# Altium PCB MC3.PcbDoc (part 3 of 4) (continued)
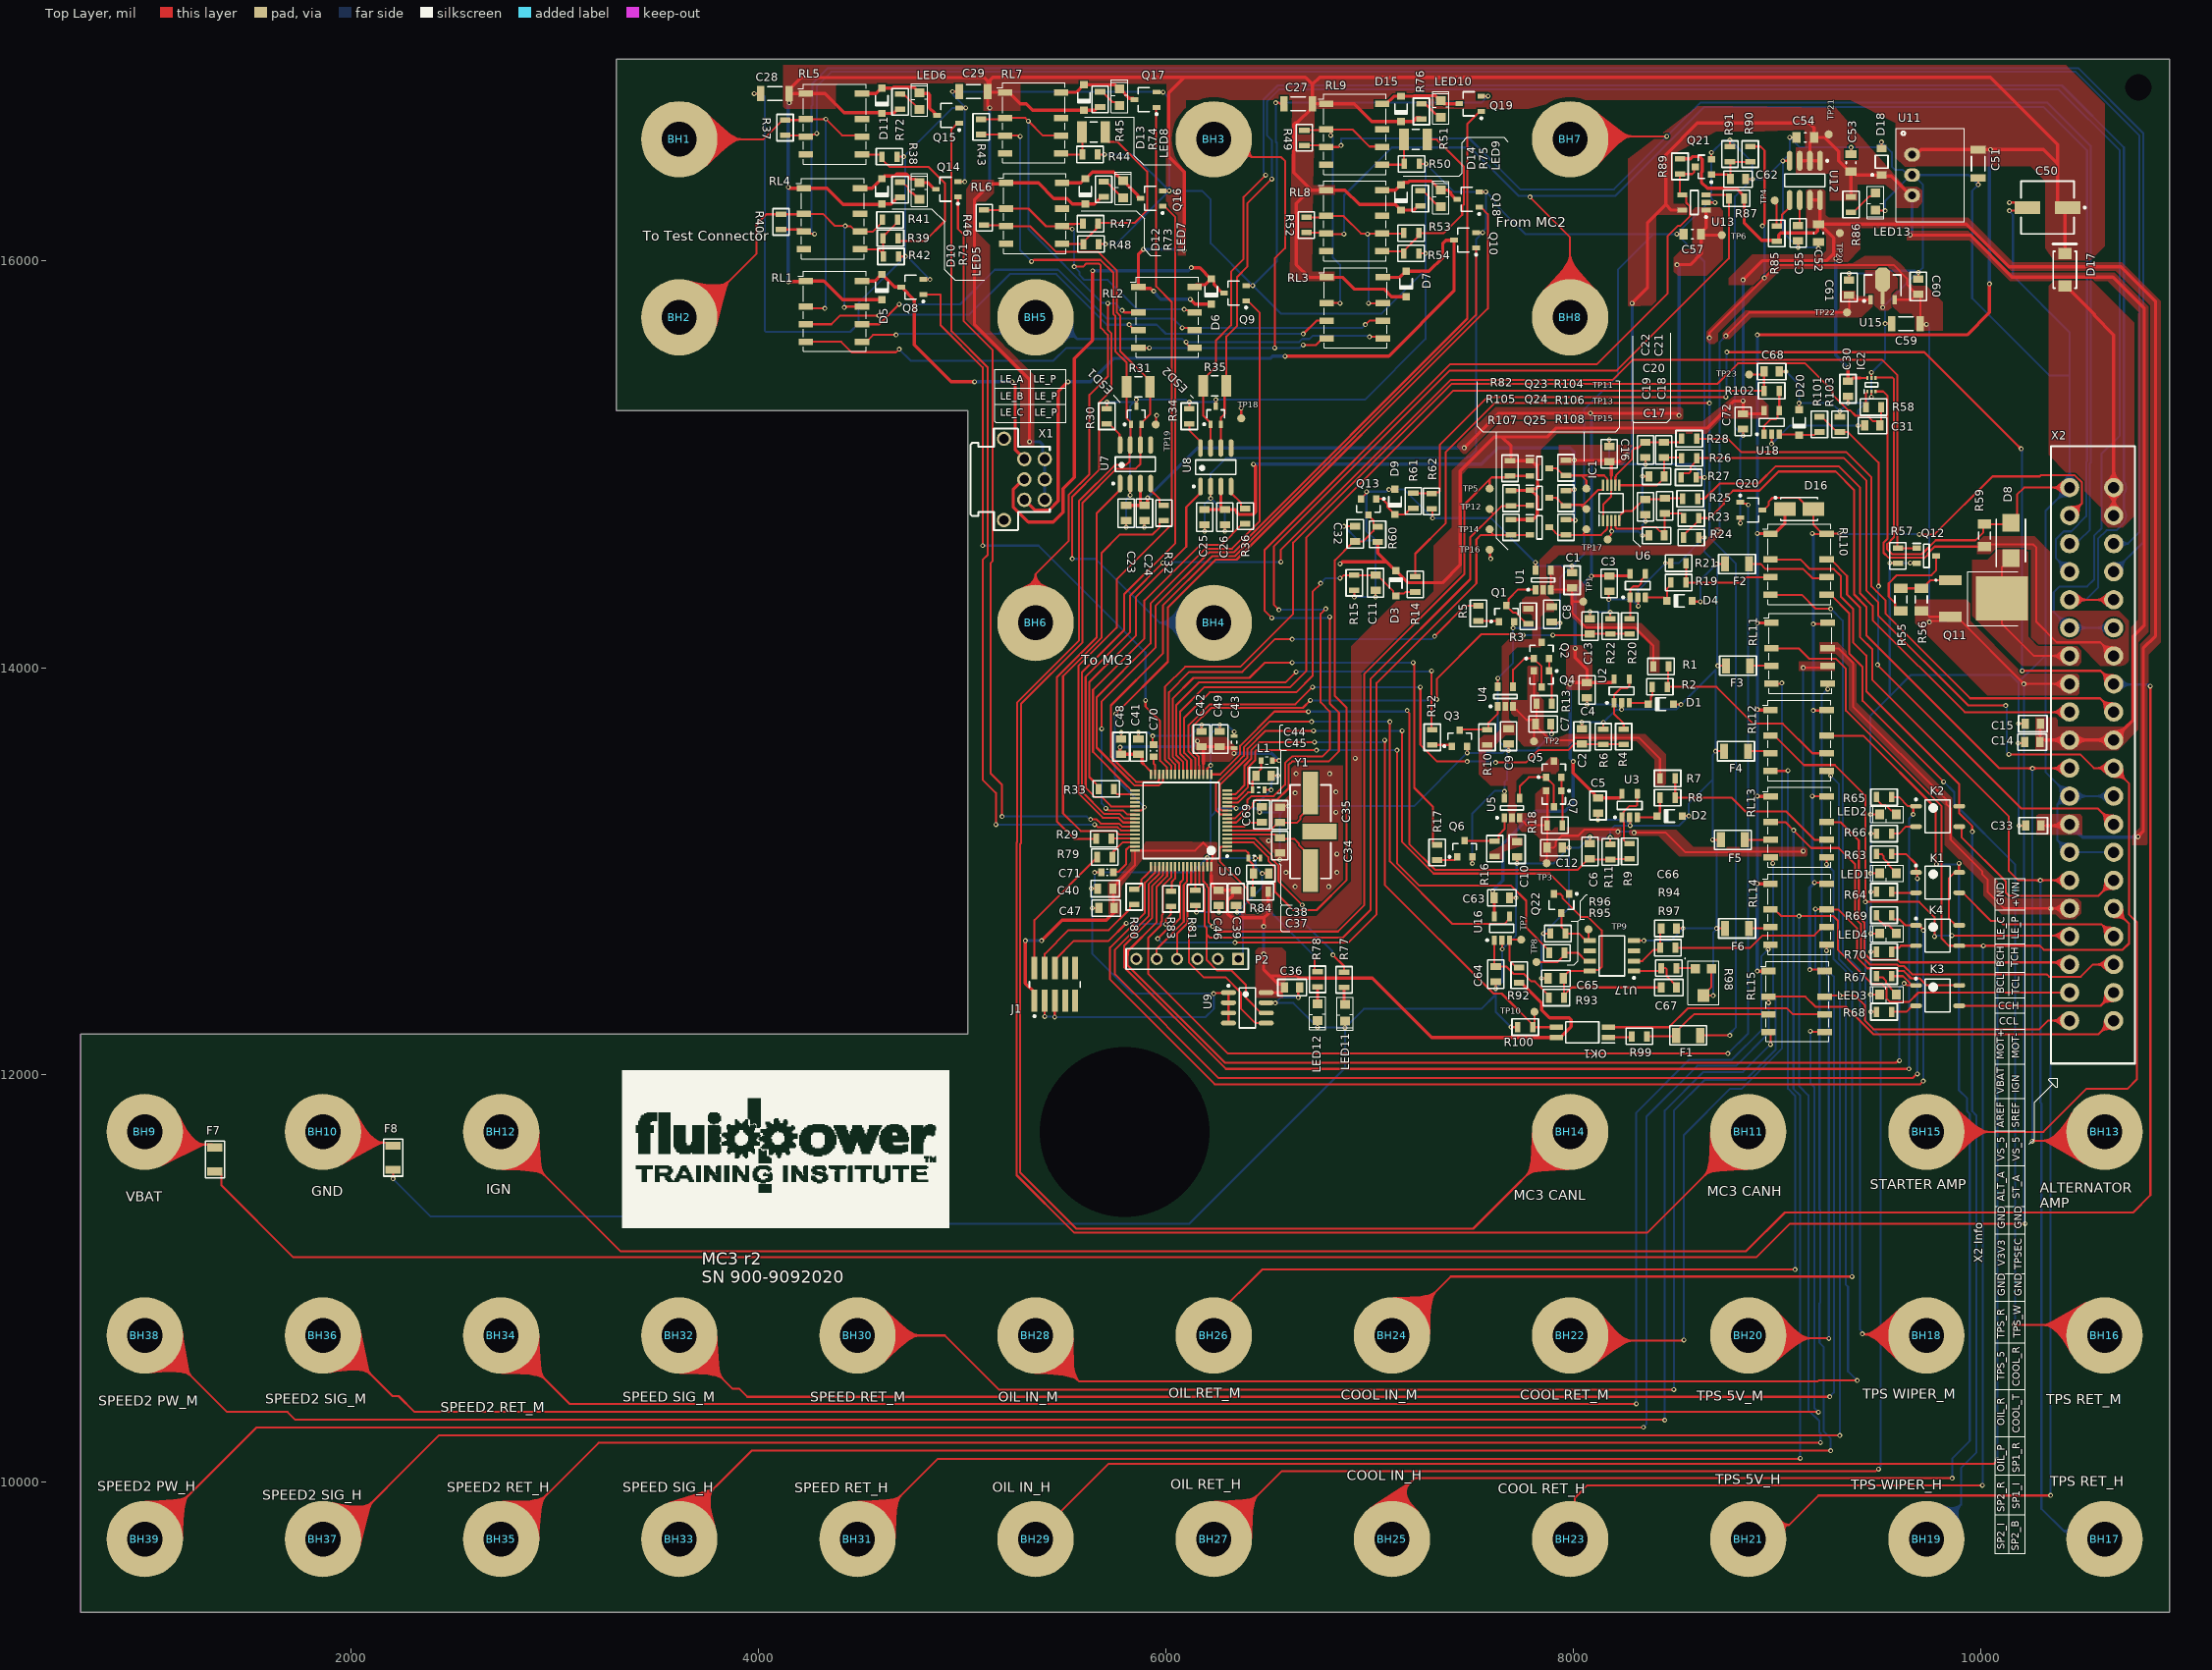
[diagram p0: Top Layer view]
## Nets (pads, with @x,y where several pads share a name; then routed paths per layer and width w, separated by ;. In a path a pad name is that pad's centre, name@x,y a point inside that pad or via, vN(x,y) a via of type N, cw(c..) or ccw(c..) an arc to the next point about the centre after c; other vN are vias at no path point) (continued)
  other v1: 6635,12925 6800,12925 6590,12995 6840,12995 6840,13085 6505,13150 6835,13290 6635,13385 6835,13390 6640,13480 6805,13480
IGNITION_1: BH12.1 R61.1 R62.2 X2.15 | length 16439.4
  Top Layer w10: BH12.1@2735.25,11720.85 3321.1,11135 8850,11135 9040,11325 10750,11325 10835,11410 v1(10835,13910) ; R61.1@7215,14857.4 7216.2,14856.2 7291.99,14856.2 7293.19,14855 7299.63,14861.44 7339.14,14861.44 7345,14867.3 7345,15095 7580,15330 v1(8750,15330) ; v1(8755,15550) 9725,15550 v1(10200,15075) ; v1(10205,13985) 10590.59,13985 X2.15@10655,13920.59
  Bottom Layer w10: v1(8750,15330) 8752.5,15332.5 8752.5,15547.5 v1(8755,15550) ; v1(10200,15075) 10205,15070 v1(10205,13985) ; X2.15@10655,13920.59 10657.91,13917.68 10827.32,13917.68 v1(10835,13910)
LED_CONNECTOR_1: D16.2 Q20.3 RL10.8 RL11.8 RL12.8 RL13.8 RL14.8 RL15.8 X2.4 | length 4608.2
  Top Layer w10: Q20.3@8929.13,14775 8936.02,14775 8961.42,14800.39 8961.42,14816.42 8980,14835 9106.18,14835 9161.18,14780 D16.2@9179.88,14780 9179.88,14703.03 RL10.8@9225.32,14657.6 ; v1(9162.75,12517.25) 9229.32,12517.25 RL15.8@9235.59,12510.98 ; v1(9175,13370) 9243.19,13370 RL13.8@9245.59,13367.6 ; v1(9175,14660) 9177.4,14657.6 RL10.8@9225.32,14657.6 ; v1(9180,13790) 9242.4,13790 RL12.8@9245,13792.6 ; v1(9180,14215) 9244.02,14215 RL11.8@9250,14220.98 ; v1(9185,12945) 9239.28,12945 RL14.8@9245,12939.28 ; v1(9310,14660) 9247.4,14660 RL10.8@9245,14657.6 RL10.8@9225.32,14657.6 ; v1(9700,14655) 9775,14655 10060,14940 10291.51,14940 10296.91,14945.4 10463.42,14945.4 10498.71,14910.11 10498.71,14807.61 X2.4@10438.46,14747.36
  Bottom Layer w10: v1(9310,14660) 9312.5,14657.5 9697.5,14657.5 v1(9700,14655)
  Bottom Layer w16: v1(9162.75,12517.25) 9162,12518 9162,12919.84 9185,12942.84 v1(9185,12945) 9175,12955 v1(9175,13370) 9180,13375 v1(9180,13790) v1(9180,14215) 9180,14652.84 9175,14657.84 v1(9175,14660)
LEDA_1: D5.1 Q8.3 RL1.8 X1.2 | length 1503.5
  Top Layer w16: RL1.8@4507.8,15900 4572.01,15900 4604.02,15932.01 D5.1@4605,15932.01 4605.98,15932.01 4642.93,15895.06 4642.93,15894.23 4667.17,15870 Q8.3@4700.87,15870 4765,15805.87 4765,15585 4945,15405 v1(5060,15405) ; v1(5245,15405) 5260,15390 5260,15070 X1.2@5305,15025
  Bottom Layer w16: v1(5060,15405) v1(5245,15405)
LEDB_1: D6.1 Q9.3 RL2.8 X1.4 | length 2513.6
  Top Layer w16: X1.4@5305,14925 5300,14925 5250,14875 5250,14790 5325,14715 5447,14715 5495,14763 5495,14880 5550.58,14935.58 5550.58,15519.42 5640,15608.84 v1(5640,15950) ; v1(6125,15965) 6166.81,15965 D6.1@6221.81,15910 ; RL2.8@6140.59,15870.98 6151.34,15881.73 6193.54,15881.73 D6.1@6221.81,15910 ; Q9.3@6285.87,15840 6278.98,15840 6236.5,15882.48 6236.5,15897.28 6223.78,15910 D6.1@6222.8,15910 D6.1@6221.81,15910
  Bottom Layer w16: v1(5640,15950) 6110,15950 v1(6125,15965)
LEDC_1: D7.1 Q10.3 RL3.8 X1.6 | length 3627.8
  Top Layer w16: X1.6@5305,14825 5356.43,14773.57 5426.3,14773.57 5471,14818.26 5471,15356 v1(5520,15405) ; v1(6585,15530) 7095,15530 7415,15850 Q10.3@7415,16100 7375,16100 7360,16085 7360,16015 7292.01,15947.01 D7.1@7180,15947.01 7179.02,15947.01 7149.61,15917.6 RL3.8@7045.91,15917.6
  Bottom Layer w16: v1(5520,15405) 5630,15405 5745,15520 6515,15520 6525,15530 v1(6585,15530)
LEDGRN_17: R77.2 U10.4 | length 973.3
  Top Layer w10: U10.4@6301.38,13161.42 6355,13161.42 6436.87,13161.42 6521.41,13076.88 6521.41,13060.34 6553.52,13028.23 6553.52,12951.48 v1(6670,12835) ; v1(6820,12590) 6875,12535 R77.2@6875,12505.08
  Bottom Layer w10: v1(6670,12835) 6670,12755 6817.32,12607.68 6817.32,12592.68 v1(6820,12590)
LEDYEL_17: R78.2 U10.2 | length 891.1
  Top Layer w10: U10.2@6301.38,13122.05 6300.6,13121.27 6272.37,13121.27 6264.76,13113.65 6264.76,13049.34 6334.09,12980 6400,12914.09 6400,12855 v1(6450,12805) ; v1(6730,12585) 6730,12521.18 6725,12516.18 6733.78,12507.4 R78.2@6745,12507.4
  Bottom Layer w10: v1(6450,12805) 6510,12805 v1(6730,12585)
MC2_MC3_CANH_1: BH7.1 R49.1 RL9.3 X2.6 | length 6903.6
  Top Layer w10: R49.1@6680,16565.2 6779.41,16565.2 RL9.3@6787.2,16557.4 6848.61,16557.4 6856.21,16565 v1(6860,16565) ; BH7.1@7985.25,16595.85 8046.4,16657 8093.4,16610 v1(8460,16610)
  Bottom Layer w10: v1(6860,16565) 6860,16600 7490,16600 7740,16350 8200,16350 v1(8460,16610) 8625,16775 10330,16775 10542,16563 10542,15007.46 10538,15003.46 10538,14678 10485.73,14625.73 10454.63,14625.73 X2.6@10438.46,14609.57 ; BH7.1@7985.25,16497.08 BH7.1@7985.25,16595.85
MC2_MC3_CANL_1: BH8.1 R52.1 RL8.3 X2.8 | length 7363.5
  Top Layer w10: R52.1@6690,16137.6 6697.4,16137.6 6705,16130 6705,16132.01 6710.59,16137.6 6782.01,16137.6 6789.61,16130 v1(6875,16130) ; v1(7788.12,16311.88) 7985.25,16114.75 BH8.1@7985.25,15720.85
  Bottom Layer w10: v1(6875,16130) 6875,16320 7110,16555 7495,16555 7732.5,16317.5 v1@7782.5,16317.5 ; v1(7788.12,16311.88) v1@7782.5,16317.5 ; X2.8@10438.46,14471.77 10370,14540.24 10370,14630 10409.81,14669.81 10446.11,14669.81 10520,14743.7 10520,15010.91 10524,15014.91 10524,16541 10310,16755 8645,16755 8207.5,16317.5 v1@7782.5,16317.5
MOTOR+_1: D8.1 Q11.3 X2.14 | length 739.3
  Top Layer w10: D8.1@10150,14538.39 10150,14537.4 10105,14492.4 10105,14216.73 10263.35,14058.39 X2.14@10438.46,14058.39
MOTOR-_1: IC2.3 R59.2 X2.13 | length 2459.7
  Top Layer w10: IC2.3@9484.68,15357.01 9522.99,15357.01 9545,15335 9545,14635 9525,14615 9525,14565 9550,14540 9725,14540 9725.86,14539.14 9741.52,14554.8 9741.52,14561.12 9775.39,14595 10019.88,14595 R59.2@10020,14594.88 10030.12,14605 10260,14605 10275,14590 10275,14225 10375,14125 10588.39,14125 X2.13@10655,14058.39
NetBH9_1: BH9.1 F7.1 | length 376.6
  Top Layer w10: BH9.1@985.25,11720.85 1047.36,11658.74 1315.31,11658.74 F7.1@1330,11644.06
NetBH10_1: BH10.1 F8.1 | length 372.8
  Top Layer w10: BH10.1@1860.25,11720.85 1913.3,11667.8 2190.31,11667.8 F8.1@2205,11653.11
NetBH11_1: BH11.1 ESD1.1 R31.2 R43.1 RL7.3 U7.7 | length 9915.8
  Top Layer w10: R43.1@5092.8,16618.58 5204.8,16618.58 RL7.3@5210,16613.39 5281.61,16613.39 v1(5285,16610) ; v1(5340,15995) 5343.79,15995 5351.79,16003 5678.67,16003 5742,15939.67 5742,15737.19 5751,15728.19 5751,15554.73 5807.91,15497.81 5807.91,15224.65 5827.2,15205.35 5829.41,15203.15 ESD1.1@5829.41,15195.28 ; U7.7@5825,15094.06 U7.7@5827.2,15096.26 ; ESD1.1@5827.2,15195.28 U7.7@5827.2,15096.26 ; BH11.1@8860.25,11720.85 8364.4,11225 5550,11225 5267,11508 5267,13141.64 5270,13144.64 5270,13830.08 5572.75,14132.83 5572.75,14818.21 5750.17,14995.63 5804.53,14995.63 5822.39,15013.49 5822.39,15091.45 U7.7@5827.2,15096.26
  Bottom Layer w10: v1(5285,16610) 5285,16050 v1(5340,15995)
NetBH14_1: BH14.1 ESD1.2 R31.1 R46.1 RL6.3 U7.6 | length 8573.3
  Top Layer w10: R46.1@5107.8,16173.58 5209.8,16173.58 RL6.3@5215,16168.39 5334.41,16168.39 5460.4,16042.39 5668.52,16042.39 5760,15950.91 5760,15744.64 5776,15728.64 5776,15555.18 5922.09,15409.09 5922.09,15244.65 5880.59,15203.15 5880.59,15187.4 5875,15181.81 U7.6@5875,15094.06 5875,15000 5852.63,14977.63 5757.63,14977.63 5590.75,14810.75 5590.75,14125.37 5288,13822.62 5288,13137.19 5285,13134.19 5285,11520 5560,11245 7509.4,11245 BH14.1@7985.25,11720.85
NetBH16_1: BH16.1 RL10.5 | length 4449.1
  Top Layer w10: RL10.5@9245,14358.39 9264.68,14358.39 9357,14266.07 9357,14068.46 9422,14003.46 9422,13838 v1(9820,13440) ; v1(10165,10775) 10167.68,10772.32 10558.78,10772.32 BH16.1@10610.25,10720.85
  Bottom Layer w10: v1(9820,13440) 9871.76,13388.24 9871.76,13333.24 10171.54,13033.46 10171.54,10781.54 v1(10165,10775)
NetBH18_1: BH18.1 RL10.4 | length 4267.2
  Top Layer w10: RL10.4@8969.41,14358.39 9123.23,14358.39 9191.61,14290 v1(9265,14290) ; v1(9421,10729) 9423.68,10726.32 9729.78,10726.32 BH18.1@9735.25,10720.85
  Bottom Layer w10: v1(9265,14290) 9324,14231 9324,12601.91 9410,12515.91 9410,10749.9 9418.32,10741.58 9418.32,10731.68 v1(9421,10729)
NetBH20_1: BH20.1 RL11.5 | length 3644.5
  Top Layer w10: BH20.1@8860.25,10720.85 8873.78,10707.32 9237.68,10707.32 9238.23,10706.77 9255.55,10706.77 v1(9255.98,10706.34) ; v1(9250,13895) RL11.5@9250,13921.77
  Bottom Layer w10: v1(9250,13895) 9220,13865 9220,12518.74 9255.98,12482.76 v1(9255.98,10706.34)
NetBH22_1: BH22.1 RL11.4 | length 4081.4
  Top Layer w10: BH22.1@7985.25,10720.85 8011.1,10695 8540,10695 v1(8543.75,10698.75) ; RL11.4@8974.41,13921.77 9021.77,13921.77 v1(9025,13925)
  Bottom Layer w10: v1(8543.75,10698.75) 8543.75,11704.87 8772.23,11933.35 8828.81,11933.35 9025,12129.54 v1(9025,13925)
NetBH24_1: BH24.1 RL12.5 | length 4919.9
  Top Layer w10: BH24.1@7110.25,10720.85 7399.4,11010 v1(9370,11010) ; RL12.5@9245,13493.39 9253.94,13493.39 9264.68,13482.64 v1(9264.68,13469.76)
  Bottom Layer w10: v1(9264.68,13469.76) 9306,13428.45 9306,12569 9370,12505 v1(9370,11010)
NetBH26_1: BH26.1 RL12.4 | length 5590.2
  Top Layer w10: BH26.1@6235.25,10720.85 6235.25,10807 6473.25,11045 v1(9090,11045) ; RL12.4@8969.41,13493.39 9043.39,13493.39 9045,13495 v1(9055,13495)
  Bottom Layer w10: v1(9055,13495) 9055,11933.63 9090,11898.63 v1(9090,11045)
NetBH28_1: BH28.1 RL13.5 | length 6785.8
  Top Layer w10: BH28.1@5360.25,10720.85 5360.25,10709.75 5575,10495 9201.46,10495 9206.46,10500 v1(9395,10500) ; RL13.5@9231.61,13068.39 RL13.5@9234.25,13068.39 ; v1(9245,13035) 9245,13057.64 RL13.5@9234.25,13068.39 ; RL13.5@9245.59,13068.39 RL13.5@9234.25,13068.39
  Bottom Layer w10: v1(9245,13035) 9278.84,13001.16 9278.84,12570.7 9340,12509.54 9340,10970 9350,10960 9350,10545 v1(9395,10500)
NetBH30_1: BH30.1 RL13.4 | length 7067.9
  Top Layer w10: BH30.1@4485.25,10720.85 4914.08,10720.85 5179.93,10455 v1(8495,10455) ; RL13.4@8970,13068.39 8980,13058.39 v1(8980,13040)
  Bottom Layer w10: v1(8495,10455) 8495,11825 8645,11975 8845,11975 8995,12125 8995,12377.5 8982.6,12389.9 8982.6,13037.4 v1(8980,13040)
NetBH32_1: BH32.1 RL14.5 | length 8018.7
  Top Layer w10: BH32.1@3610.25,10720.85 3872.1,10459 3905.62,10459 3945,10419.62 v1(9260.28,10419.62) ; v1(9245,12610) RL14.5@9245,12640.06
  Bottom Layer w10: v1(9245,12610) 9245,12519.2 9280.98,12483.22 9280.98,10440.32 v1(9260.28,10419.62)
NetBH34_1: BH34.1 RL14.4 | length 8369.8
  Top Layer w10: BH34.1@2735.25,10720.85 3071.1,10385 v1(8310,10385) ; v1(8957.6,12616.44) 8957.6,12629.31 8968.35,12640.06 RL14.4@8969.41,12640.06
  Bottom Layer w10: v1(8310,10385) 8310,11815 8570,12075 8780,12075 8925,12220 8925,12494.64 8930,12499.64 8930,12520.36 8925,12525.36 8925,12583.84 v1(8957.6,12616.44)
NetBH36_1: BH36.1 RL15.5 | length 9460
  Top Layer w10: BH36.1@1860.25,10720.85 1904.15,10720.85 2202,10423 2232,10423 2310,10345 9204.23,10345 v1(9205,10344.23) ; v1(9165,12215) 9168.23,12211.77 RL15.5@9235.59,12211.77
  Bottom Layer w10: v1(9165,12215) 9165,11960 9185,11940 9185,10364.23 v1(9205,10344.23)
NetBH38_1: BH38.1 RL15.4 | length 9876.9
  Top Layer w10: BH38.1@985.25,10720.85 1014.15,10720.85 1390,10345 1686.54,10345 1725,10306.54 v1@8450,10306.54 ; RL15.4@8960,12211.77 8970,12201.77 v1(8970,12150)
  Bottom Layer w10: v1(8450,10305) 8450,11825 8640,12015 8835,12015 v1(8970,12150)
NetC17_2: C17.2 C18.2 IC1.4 R23.2 | length 517.7
  Top Layer w10: IC1.4@8207.09,14723.39 8207.87,14722.61 8207.87,14690.44 8215.48,14682.83 8332.83,14682.83 8340,14690 8407.4,14690 8426.81,14670.59 8434.68,14670.59 8447.4,14657.87 C17.2@8447.4,14650 8450,14652.6 C18.2@8450,14757.6 8531.81,14757.6 8542.6,14746.81 R23.2@8542.6,14735
NetC18_1: C18.1 C19.1 IC1.5 R25.2 | length 369.7
  Top Layer w10: IC1.5@8226.77,14723.39 8226.77,14745.04 8251.73,14770 8289.72,14770 8347.13,14827.4 C19.1@8355,14827.4 8445,14827.4 C18.1@8450,14832.4 8535.2,14832.4 R25.2@8537.6,14830
NetC20_2: C20.2 C21.2 IC1.6 R26.2 | length 425.5
  Top Layer w10: IC1.6@8226.77,14896.61 8411.89,14896.61 8447.4,14932.13 C20.2@8447.4,14940 8447.4,15030.2 C21.2@8445,15032.6 8530,15032.6 R26.2@8532.6,15030
NetC21_1: C21.1 C22.1 IC1.7 R28.2 | length 475.3
  Top Layer w10: IC1.7@8207.09,14896.61 8207.09,14934.99 8210,14937.9 8210,14945 8290,15025 8290,15065 8304.84,15079.84 8319.57,15079.84 8347.13,15107.4 C22.1@8355,15107.4 C21.1@8445,15107.4 8523.82,15107.4 8532.6,15116.18 R28.2@8532.6,15125
NetC34_1: C34.1 U10.5 Y1.1 | length 525.5
  Top Layer w10: U10.5@6301.38,13181.1 6535.83,13181.1 6552.13,13164.8 C34.1@6560,13164.8 6564.8,13160 6630,13160 6653.5,13136.5 6653.5,13128.5 6710,13072 Y1.1@6710,13005
NetC35_1: C35.1 U10.6 Y1.2 | length 531.8
  Top Layer w10: U10.6@6301.38,13200.79 6513.11,13200.79 6552.13,13239.8 C35.1@6560,13239.8 6644.8,13239.8 6660,13255 6660,13268 6710,13318 Y1.2@6710,13385
NetC37_1: C37.1 C38.1 R84.2 U10.1 | length 310.3
  Top Layer w10: U10.1@6301.38,13102.36 6392.64,13102.36 6405,13090 C38.1@6405,13064.8 6405,13060.87 6405,13056.93 6430,13031.93 C37.1@6430,12989.8 6427.6,12987.4 R84.2@6427.6,12899.8
NetC44_1: C44.1 C45.1 L1.2 U10.13 | length 316.4
  Top Layer w10: U10.13@6301.38,13338.58 6354.49,13338.58 6355,13339.09 6403.98,13388.07 6421.61,13388.07 6425.47,13391.93 6425.47,13444.8 6442.6,13461.93 6442.6,13477.68 6467.44,13502.52 L1.2@6467.44,13544.8
NetC55_2: C55.2 U12.6 | length 127.9
  Top Layer w10: C55.2@9105,16172.4 9112.76,16180.16 U12.6@9112.76,16297.05
NetC62_1: C62.1 Q21.1 R90.2 R91.2 | length 285.4
  Top Layer w10: Q21.1@8679.37,16422.6 8757.87,16422.6 C62.1@8772.6,16407.87 ; C62.1@8772.6,16400 C62.1@8772.6,16407.87 ; R90.2@8870,16485 R91.2@8770,16485 8772.6,16482.4 C62.1@8772.6,16407.87
NetC64_1: C64.1 R93.1 U16.1 | length 462.8
  Top Layer w10: U16.1@7612.6,12661.93 7612.6,12539.8 C64.1@7620,12532.4 7672.25,12532.4 7708.45,12496.2 7758.8,12496.2 7795,12460 7812.01,12460 7880.2,12391.81 R93.1@7880.2,12380
NetC66_2: C66.2 R94.2 U17.2 | length 256.4
  Top Layer w10: U17.2@8298.66,12560 8340,12560 8395,12615 8423.5,12615 8427.6,12619.09 R94.2@8427.6,12625 8427.6,12715 C66.2@8432.6,12720
NetC67_1: C67.1 R97.2 U17.1 | length 276.2
  Top Layer w10: U17.1@8298.66,12510 8423.82,12510 R97.2@8432.6,12518.78 ; R97.2@8432.6,12525 8454.14,12525 8460,12519.14 8460,12485.28 8507.4,12437.87 C67.1@8507.4,12430
NetC70_1: C70.1 U10.31 | length 89.9
  Top Layer w10: C70.1@5940,13563.35 5940,13530 5947.05,13522.95 U10.31@5947.05,13476.38
NetC71_1: C71.1 U10.47 | length 201.1
  Top Layer w10: C71.1@5742.13,12995 5745.13,12998 5768,12998 5800,13030 5805,13035 5805,13106.65 5819.62,13121.27 5847.84,13121.27 U10.47@5848.62,13122.05
NetD1_2: D1.2 R2.2 U2.3 | length 189.4
  Top Layer w10: U2.3@8275.63,13828.12 8362.28,13828.12 D1.2@8369.21,13821.19 8381.93,13833.91 8381.93,13857 8388.43,13863.49 R2.2@8388.43,13906.19
NetD2_2: D2.2 R8.2 U3.3 | length 195.8
  Top Layer w10: U3.3@8315,13265.52 8405.51,13265.52 D2.2@8412.05,13272.06 8412.05,13273.04 8426.65,13287.65 R8.2@8426.65,13362.06
NetD4_2: D4.2 R19.2 U6.3 | length 210.3
  Top Layer w10: U6.3@8355,14345.84 8444.65,14345.84 D4.2@8460.59,14329.89 ; D4.2@8460.59,14328.91 D4.2@8460.59,14329.89 ; R19.2@8480.2,14418.91 8480.2,14407.1 8460.59,14387.49 D4.2@8460.59,14329.89
NetD9_2: D9.2 Q13.1 R61.2 | length 234.6
  Top Layer w10: Q13.1@7032.4,14829.37 7063.15,14829.37 7087.22,14805.3 7087.22,14789.78 D9.2@7124.02,14752.99 ; D9.2@7125,14752.99 7135.09,14752.99 7173.58,14752.99 7203.19,14782.6 R61.2@7215,14782.6
NetD10_1: D10.1 LED5.1 Q14.3 RL4.8 | length 433.1
  Top Layer w16: RL4.8@4497.8,16355 4557.01,16355 4604.02,16402.01 D10.1@4605,16402.01 4617.72,16414.72 4666.71,16414.72 4676.99,16425 4725,16425 4750.67,16399.33 4773.35,16399.33 LED5.1@4790,16382.68 4831.3,16382.68 4863.98,16350 Q14.3@4870.87,16350
NetD11_1: D11.1 LED6.1 Q15.3 RL5.8 | length 481.9
  Top Layer w16: RL5.8@4507.8,16820 4577.01,16820 4604.02,16847.01 D11.1@4605,16847.01 4659.25,16847.01 4664.02,16851.78 4761.25,16851.78 4793.03,16820 4834.14,16820 4840,16814.14 4840,16749.13 4863.03,16726.1 4863.03,16719.21 4869.84,16712.4 Q15.3@4876.73,16712.4
NetD12_1: D12.1 LED7.1 Q16.3 RL6.8 | length 467
  Top Layer w16: RL6.8@5490.59,16380.98 5582.99,16380.98 5604.02,16402.01 D12.1@5605,16402.01 5605.98,16402.01 5638.98,16435 5744.37,16435 5788.03,16391.34 LED7.1@5790,16391.34 5791.97,16391.34 5862.17,16321.14 5862.17,16311.81 5868.98,16305 Q16.3@5875.87,16305
NetD13_1: D13.1 LED8.1 Q17.3 RL7.8 | length 405.8
  Top Layer w16: RL7.8@5485.59,16825.98 5559.29,16825.98 5596.3,16862.99 D13.1@5597.28,16862.99 5750.98,16862.99 5770.31,16843.66 LED8.1@5772.28,16843.66 5774.25,16843.66 5821.1,16796.81 5839.06,16796.81 Q17.3@5845.87,16790
NetD14_1: D14.1 LED9.1 Q18.3 RL8.8 | length 428
  Top Layer w16: RL8.8@7062.8,16345 7127.01,16345 7154.02,16372.01 D14.1@7155,16372.01 7167.72,16384.72 7189.72,16384.72 7195,16390 7304.37,16390 7348.03,16346.34 LED9.1@7350,16346.34 7384.53,16346.34 7400.85,16330.02 7400.85,16323.13 7423.98,16300 Q18.3@7430.87,16300
NetD15_1: D15.1 LED10.1 Q19.3 RL9.8 | length 410.5
  Top Layer w16: RL9.8@7062.8,16770 7082.48,16770 7119.49,16807.01 D15.1@7155,16807.01 7216.85,16807.01 7219.02,16809.18 7325.19,16809.18 7348.03,16786.34 LED10.1@7350,16786.34 7366.34,16770 Q19.3@7440.87,16770
NetD20_2: D20.2 R101.2 U18.3 | length 205.3
  Top Layer w10: U18.3@9012.4,15146.93 9106.06,15146.93 D20.2@9110,15142.99 9183.58,15142.99 9198.19,15157.6 R101.2@9210,15157.6
NetIC1_9: IC1.9 Q23.3 R104.1 TP11.1 | length 413.8
  Top Layer w10: Q23.3@7882.24,14979.8 7918.19,14979.8 7953.19,14944.8 R104.1@7965,14944.8 8040.2,14944.8 ; TP11.1@8065,14880 8065,14920 8040.2,14944.8 ; IC1.9@8167.72,14896.61 8166.94,14897.39 8166.94,14929.56 8151.69,14944.8 8040.2,14944.8
NetIC1_10: IC1.10 Q24.3 R106.1 TP13.1 | length 375.4
  Top Layer w10: Q24.3@7882.24,14834.8 7916.93,14834.8 7944.41,14807.32 7944.41,14803.78 7953.19,14795 R106.1@7965,14795 7970,14800 8037.05,14800 ; TP13.1@8065,14780 8057.05,14780 8037.05,14800 ; IC1.10@8148.03,14896.61 8148.03,14874.96 8147.13,14874.06 8124.06,14874.06 8050,14800 8037.05,14800
NetIC2_1: IC2.1 R58.2 | length 80.8
  Top Layer w10: R58.2@9437.6,15280 9437.6,15335 9437.6,15346.8 9443.46,15352.66 9444.41,15352.66 9445.32,15353.56 IC2.1@9445.32,15357.01
NetJ1_2: J1.2 R79.1 | length 672.3
  Top Layer w10: J1.2@5355,12525.12 5355,12760.59 5662.6,13068.19 R79.1@5662.6,13070
NetJ1_4: J1.4 R80.1 | length 617.1
  Top Layer w10: J1.4@5405,12525.12 5405,12595.04 5521.89,12711.93 5719.33,12711.93 5824.71,12817.31 5824.71,12828.82 5833.49,12837.6 R80.1@5845,12837.6
NetJ1_6: J1.6 R83.1 | length 759.7
  Top Layer w10: J1.6@5455,12525.12 5455,12565.47 5548.21,12658.68 5718.68,12658.68 v1(5805,12745) ; v1(6000,12740) 6000,12765 6025,12790 R83.1@6025,12827.6
  Bottom Layer w10: v1(5805,12745) 5807.5,12742.5 5997.5,12742.5 v1(6000,12740)
NetK1_2: K1.2 R64.2 | length 121.2
  Top Layer w10: R64.2@9564.62,12900 9569.62,12895 K1.2@9683.7,12895
NetK2_2: K2.2 R66.2 | length 133.6
  Top Layer w10: R66.2@9564.62,13185 9600,13185 9635,13220 K2.2@9683.7,13220
NetK3_2: K3.2 R68.2 | length 131.5
  Top Layer w10: R68.2@9564.62,12310 9635.98,12310 9665.98,12340 K3.2@9683.7,12340
NetK4_2: K4.2 R70.2 | length 138.4
  Top Layer w10: R70.2@9564.62,12605 9564.62,12616.81 9573.4,12625.59 9600.59,12625.59 9610,12635 K4.2@9683.7,12635
NetLED1_2: LED1.2 R63.2 | length 150.3
  Top Layer w10: R63.2@9489.81,13085 9515,13085 9524.14,13075.86 9524.14,13065 9547.58,13041.56 9547.58,13032.06 9587.68,12991.97 LED1.2@9587.68,12990
NetLED2_2: LED2.2 R65.2 | length 141.1
  Top Layer w10: R65.2@9489.81,13365 9489.81,13353.19 9518.3,13324.7 9535.3,13324.7 9561.38,13298.62 9571.02,13298.62 9587.68,13281.97 LED2.2@9587.68,13280
NetLED3_2: LED3.2 R67.2 | length 145.5
  Top Layer w10: R67.2@9489.81,12485.61 9495.42,12480 9520,12480 9537.84,12462.16 9537.84,12451.28 9557.65,12431.46 9557.65,12426.99 9587.68,12396.97 LED3.2@9587.68,12395
NetLED4_2: LED4.2 R69.2 | length 143.2
  Top Layer w10: R69.2@9489.81,12785 9489.81,12773.19 9528,12735 9549.65,12735 9587.68,12696.97 LED4.2@9587.68,12695
NetLED5_2: LED5.2 R71.2 | length 135.5
  Top Layer w10: R71.2@4695,16384.8 4706.81,16384.8 4735,16356.61 4735,16347.4 4750.37,16332.03 4756,16332.03 4788.03,16300 LED5.2@4790,16300
NetLED6_2: LED6.2 R72.2 | length 126.1
  Top Layer w10: R72.2@4695,16817.4 4703.78,16808.62 4721.73,16808.62 4788.03,16742.32 LED6.2@4790,16742.32
NetLED7_2: LED7.2 R73.2 | length 127.6
  Top Layer w10: R73.2@5695,16387.4 5706.81,16387.4 5768.9,16325.32 5773.35,16325.32 LED7.2@5790,16308.66
NetLED8_2: LED8.2 R74.2 | length 122.9
  Top Layer w10: R74.2@5677.28,16828.39 5689.09,16828.39 5739.84,16777.64 5755.63,16777.64 LED8.2@5772.28,16760.98
NetLED9_2: LED9.2 R75.2 | length 132.6
  Top Layer w10: R75.2@7250,16342.4 7261.81,16342.4 7323.9,16280.32 7333.35,16280.32 LED9.2@7350,16263.66
NetLED10_2: LED10.2 R76.2 | length 125.5
  Top Layer w10: R76.2@7255,16769.8 7266.81,16769.8 7270.61,16773.6 7323.9,16720.31 7333.35,16720.31 LED10.2@7350,16703.66
NetLED11_2: LED11.2 R77.1 | length 84.7
  Top Layer w15: R77.1@6875,12430.28 6875,12352.68 LED11.2@6880,12347.68
NetLED12_2: LED12.2 R78.1 | length 82.6
  Top Layer w15: LED12.2@6745,12350 R78.1@6745,12432.6
NetLED13_2: LED13.2 R86.1 | length 158.8
  Top Layer w10: R86.1@9365,16237.6 9376.81,16237.6 9453.9,16314.68 9468.35,16314.68 LED13.2@9485,16331.34
NetOK1_1: OK1.1 R99.1 | length 116.7
  Top Layer w10: OK1.1@8172.95,12185 8282.6,12185 R99.1@8287.6,12190
NetQ1_1: Q1.1 R5.2 | length 101.6
  Top Layer w10: R5.2@7535,14230.16 7631.89,14230.16 Q1.1@7635.2,14226.85
NetQ1_3: Q1.3 R3.2 U1.1 | length 338.7
  Top Layer w10: Q1.3@7672.6,14305.59 Q1.3@7672.6,14303.62 ; R3.2@7780,14215.2 7768.19,14215.2 7759.41,14223.98 7759.41,14229.29 7717.29,14271.41 7704.81,14271.41 Q1.3@7672.6,14303.62 ; U1.1@7815.2,14383.27 7728.27,14383.27 7683.35,14338.35 7683.35,14314.37 Q1.3@7672.6,14303.62
NetQ2_1: Q2.1 Q4.3 U4.4 | length 364.2
  Top Layer w10: U4.4@7705.08,13906.9 7705.08,13990.08 7760.63,14045.63 Q2.1@7807.6,14045.63 7807.6,14043.66 7845,14006.26 Q4.3@7845,13905.63
NetQ2_2: Q2.2 Q4.1 R13.2 | length 227.2
  Top Layer w10: Q2.2@7882.4,14045.63 Q4.1@7882.4,13984.37 7882.4,13982.4 7895.08,13969.72 R13.2@7895.08,13823.67
NetQ3_1: Q3.1 R12.2 | length 99.8
  Top Layer w10: R12.2@7308.35,13621.27 7398.31,13621.27 Q3.1@7405.28,13614.3
NetQ3_3: Q3.3 R10.2 U4.1 | length 272.4
  Top Layer w10: Q3.3@7442.68,13693.04 7445.71,13696.07 R10.2@7577.68,13696.07 7585,13703.4 7585,13730 7630.28,13775.28 U4.1@7630.28,13810.44
NetQ5_1: Q5.1 Q7.3 U5.4 | length 367.8
  Top Layer w10: U5.4@7737.4,13359.72 7737.4,13417.4 7782.82,13462.82 Q5.1@7867.52,13462.82 7867.52,13460.86 7905,13423.38 Q7.3@7905,13317.13
NetQ5_2: Q5.2 Q7.1 R18.2 | length 238.4
  Top Layer w10: Q5.2@7942.32,13462.82 7942.4,13462.75 Q7.1@7942.4,13395.87 7947.4,13390.87 R18.2@7947.4,13226.5
NetQ6_1: Q6.1 R17.2 | length 105.7
  Top Layer w10: R17.2@7332.32,13055.42 7416.09,13055.42 7430.2,13069.53 Q6.1@7430.2,13071.5
NetQ6_3: Q6.3 R16.2 U5.1 | length 289
  Top Layer w10: Q6.3@7467.6,13150.24 7468.94,13148.9 R16.2@7615,13148.9 7626.81,13148.9 7635.59,13157.68 7635.59,13180.59 7662.6,13207.6 U5.1@7662.6,13263.27
NetQ11_1: Q11.1 R55.1 R56.2 | length 258
  Top Layer w10: R56.2@9610,14390.12 R55.1@9710,14390.12 ; R55.1@9712.91,14390.12 R55.1@9720.83,14390.12 ; R55.1@9718.33,14392.62 9755.47,14429.76 Q11.1@9853.03,14429.76
NetQ12_3: Q12.3 R56.1 | length 497.1
  Top Layer w10: R56.1@9610,14279.88 9599.17,14279.88 9581.54,14297.52 9581.54,14318.46 9550,14350 9550,14415 9590,14455 9760,14455 9782.24,14477.24 Q12.3@9782.24,14550
NetQ22_3: Q22.3 R96.2 TP9.1 U17.5 | length 274.6
  Top Layer w10: Q22.3@7942.6,12795.51 7942.6,12726.61 7962.4,12706.81 R96.2@7962.4,12695 8028.23,12695 U17.5@8058.21,12665.02 ; TP9.1@8075,12715 8075,12666.34 U17.5@8081.34,12660
NetR4_1: R4.1 U2.1 U2.4 | length 313.9
  Top Layer w10: R4.1@8248.23,13698.59 8248.23,13726.77 8200.83,13774.17 U2.1@8200.83,13828.12 8200.83,13865.83 8235,13900 8265,13900 8275.63,13910.63 U2.4@8275.63,13944.26
NetR9_1: R9.1 U3.1 U3.4 | length 319.1
  Top Layer w10: R9.1@8277.6,13135.99 8265.79,13135.99 8250,13151.78 8250,13241.04 8247.99,13243.05 8247.99,13257.73 U3.1@8240.2,13265.52 8247.99,13273.32 8247.99,13292.99 8275,13320 8309.14,13320 8315,13325.86 U3.4@8315,13381.66